# Altium PCB SENSEI_Sensor-Shield.PcbDoc (part 1 of 2)
Units mm, origin at the board's own origin, x right, y up, seen from the top; angles counter-clockwise.
Board outline 38 x 16.5 mm, 8 copper layers (Top Layer, Mid-Layer 1, Mid-Layer 2, Mid-Layer 3, Mid-Layer 4, Mid-Layer 5, Mid-Layer 6, Bottom Layer), stack 1.612 mm thick; 108 components, 123 nets, 577 pads, 250 vias.
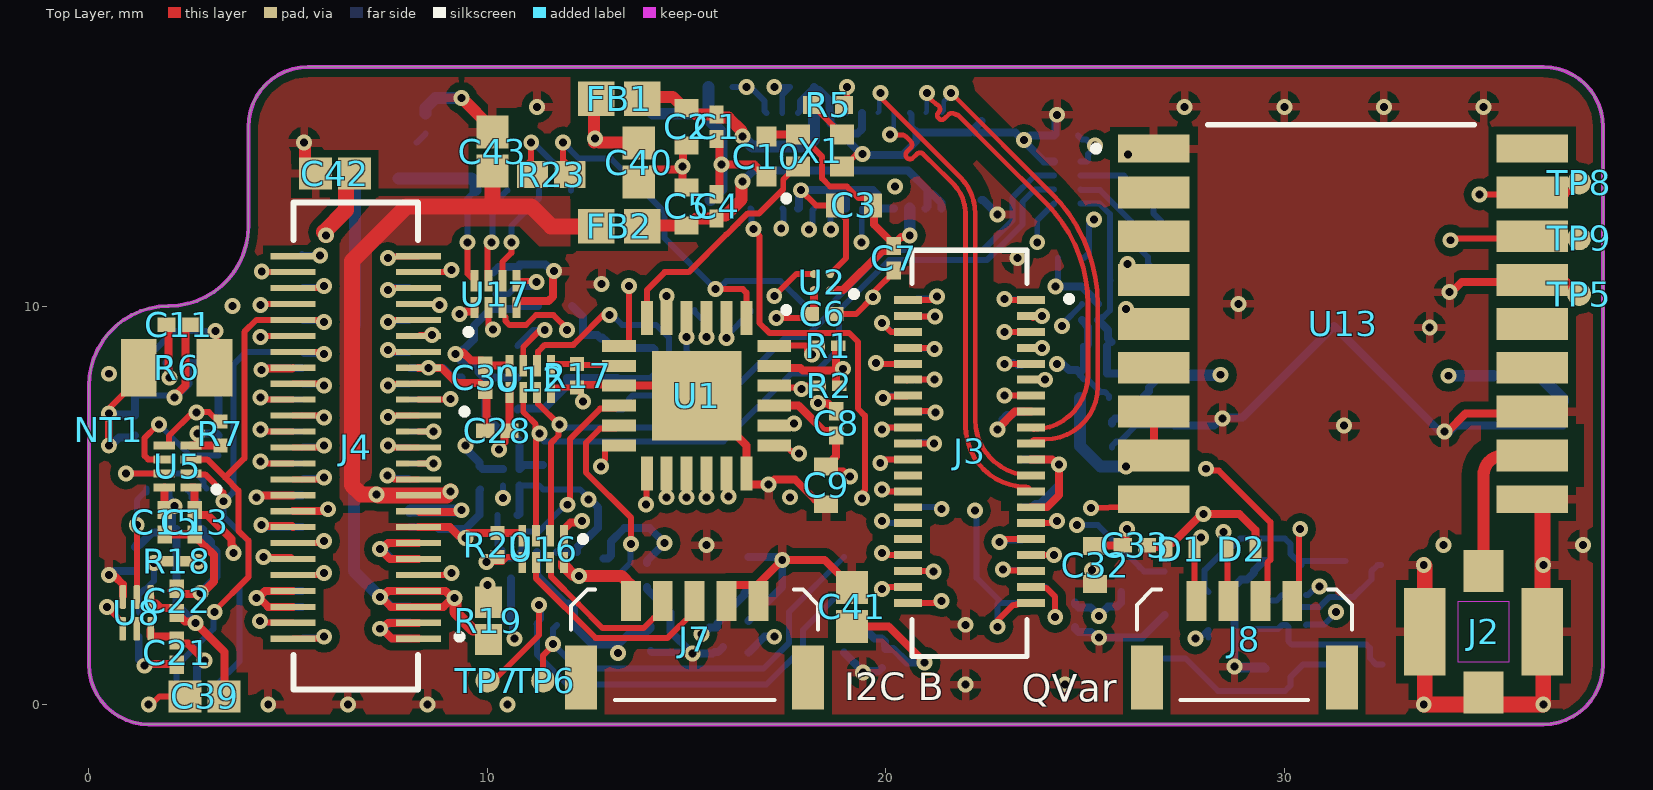
[diagram p0: Top Layer view]
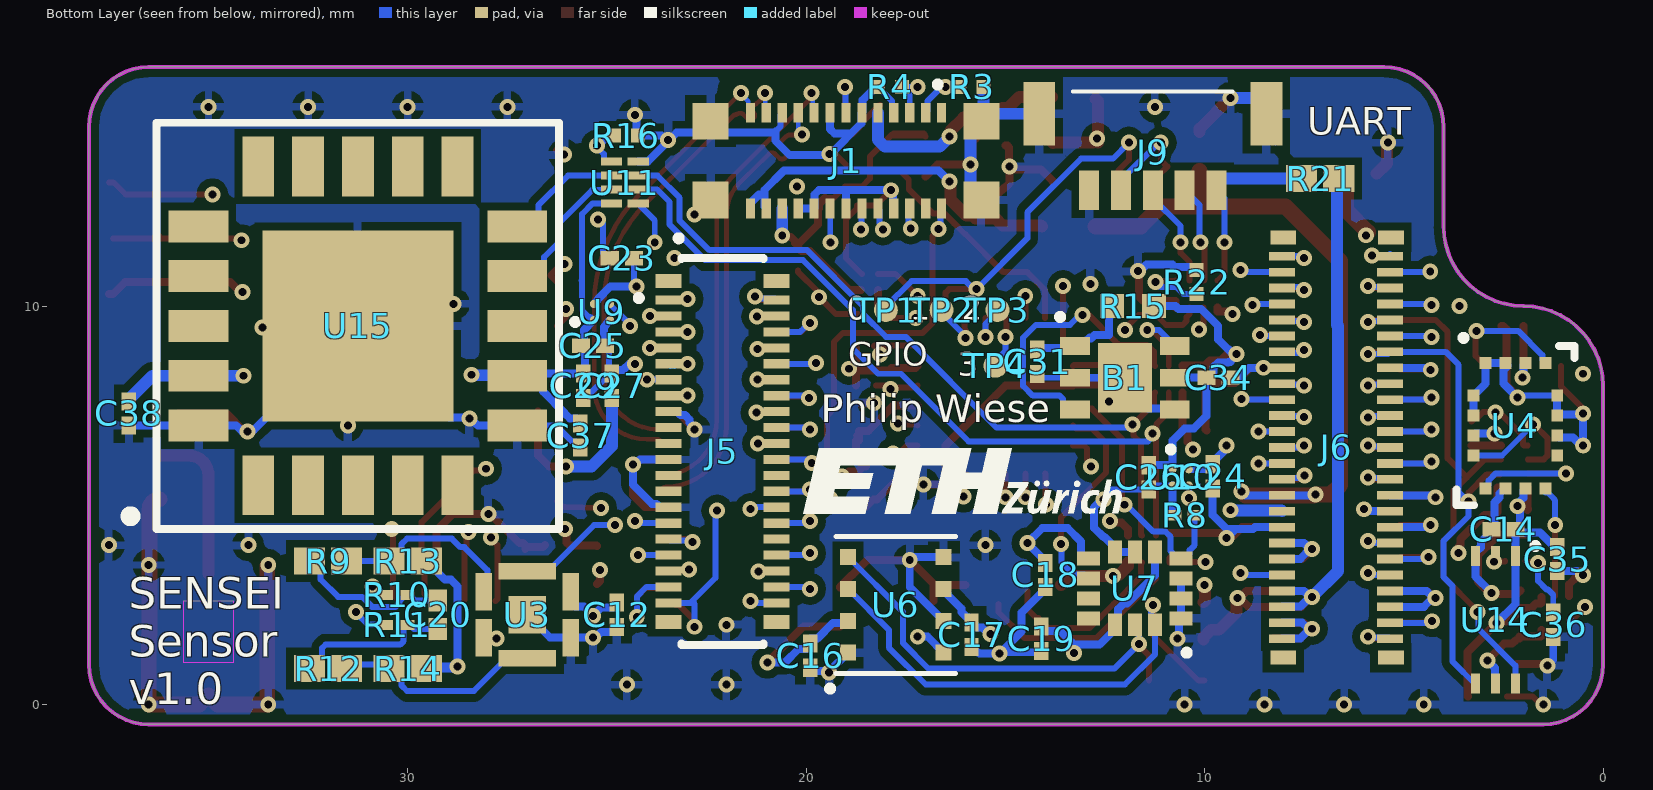
[diagram p1: Bottom Layer view, seen from below]
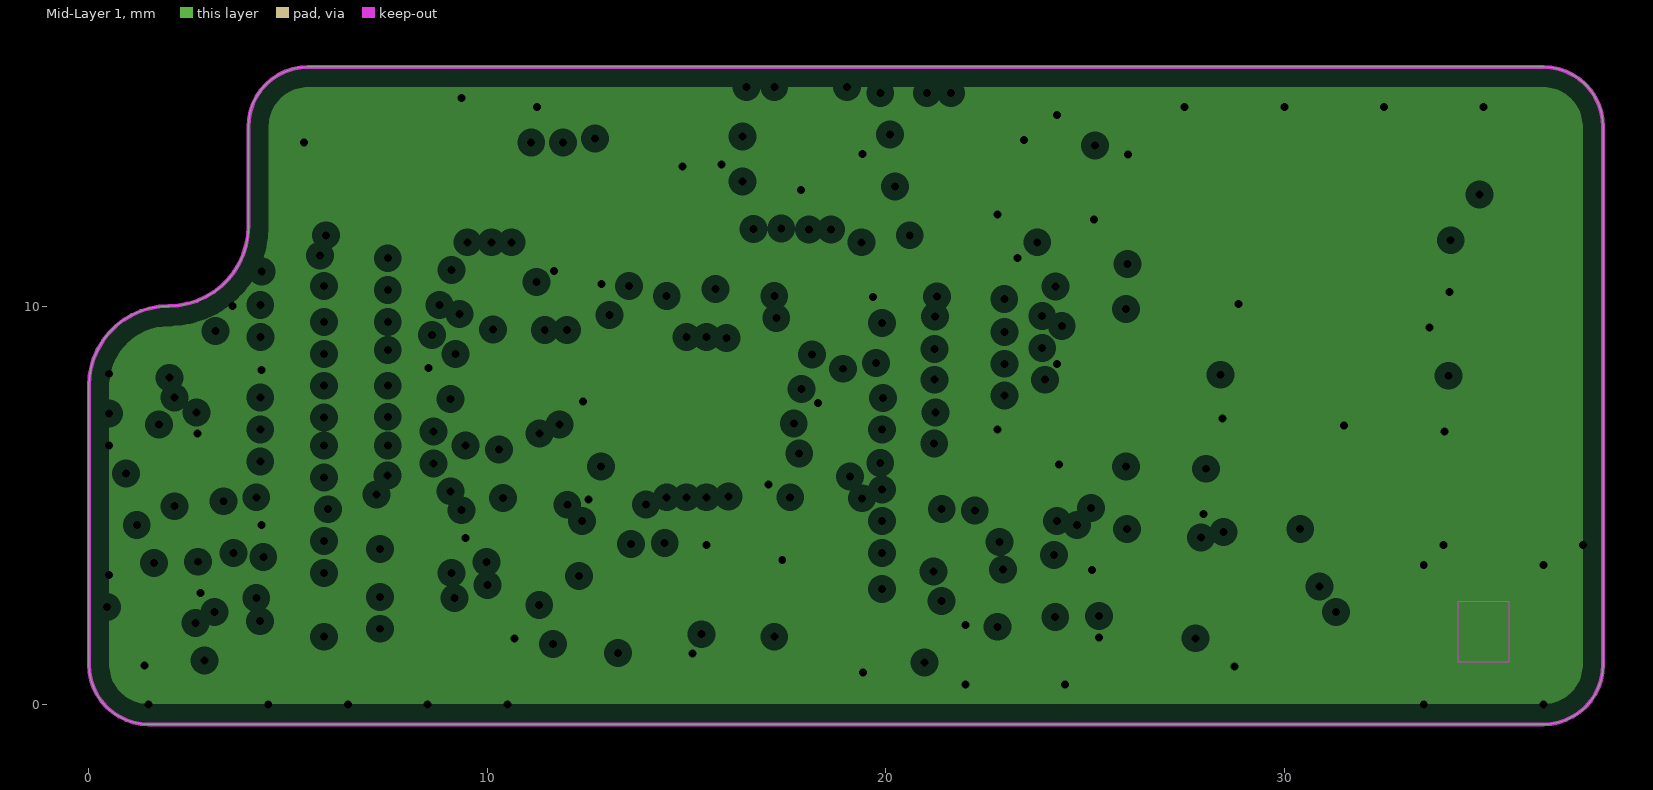
[diagram p2: Mid-Layer 1, clearances drawn from the general rule]
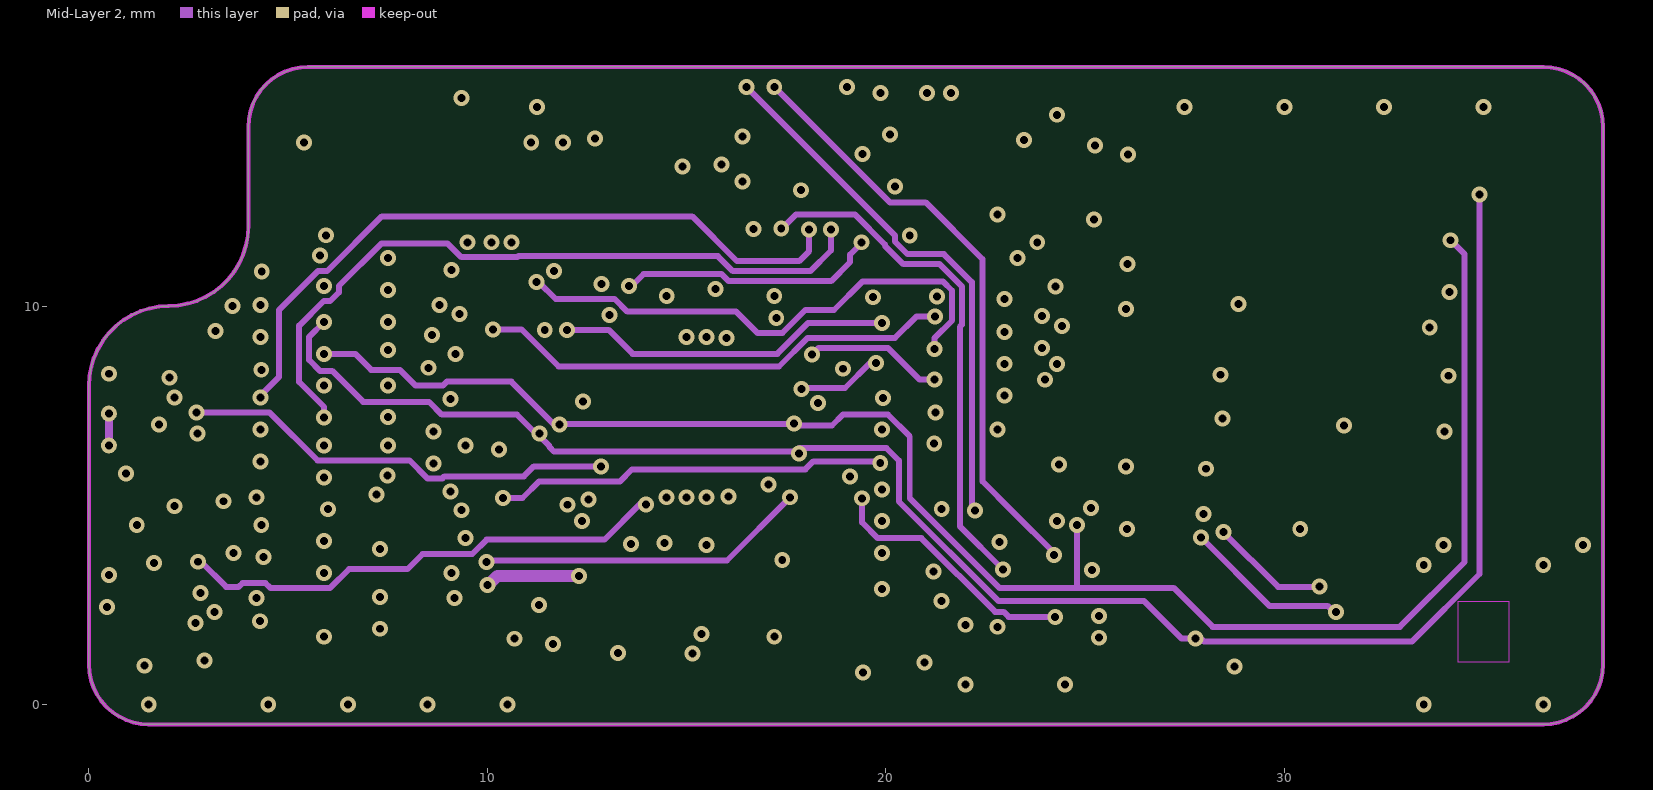
[diagram p3: Mid-Layer 2]
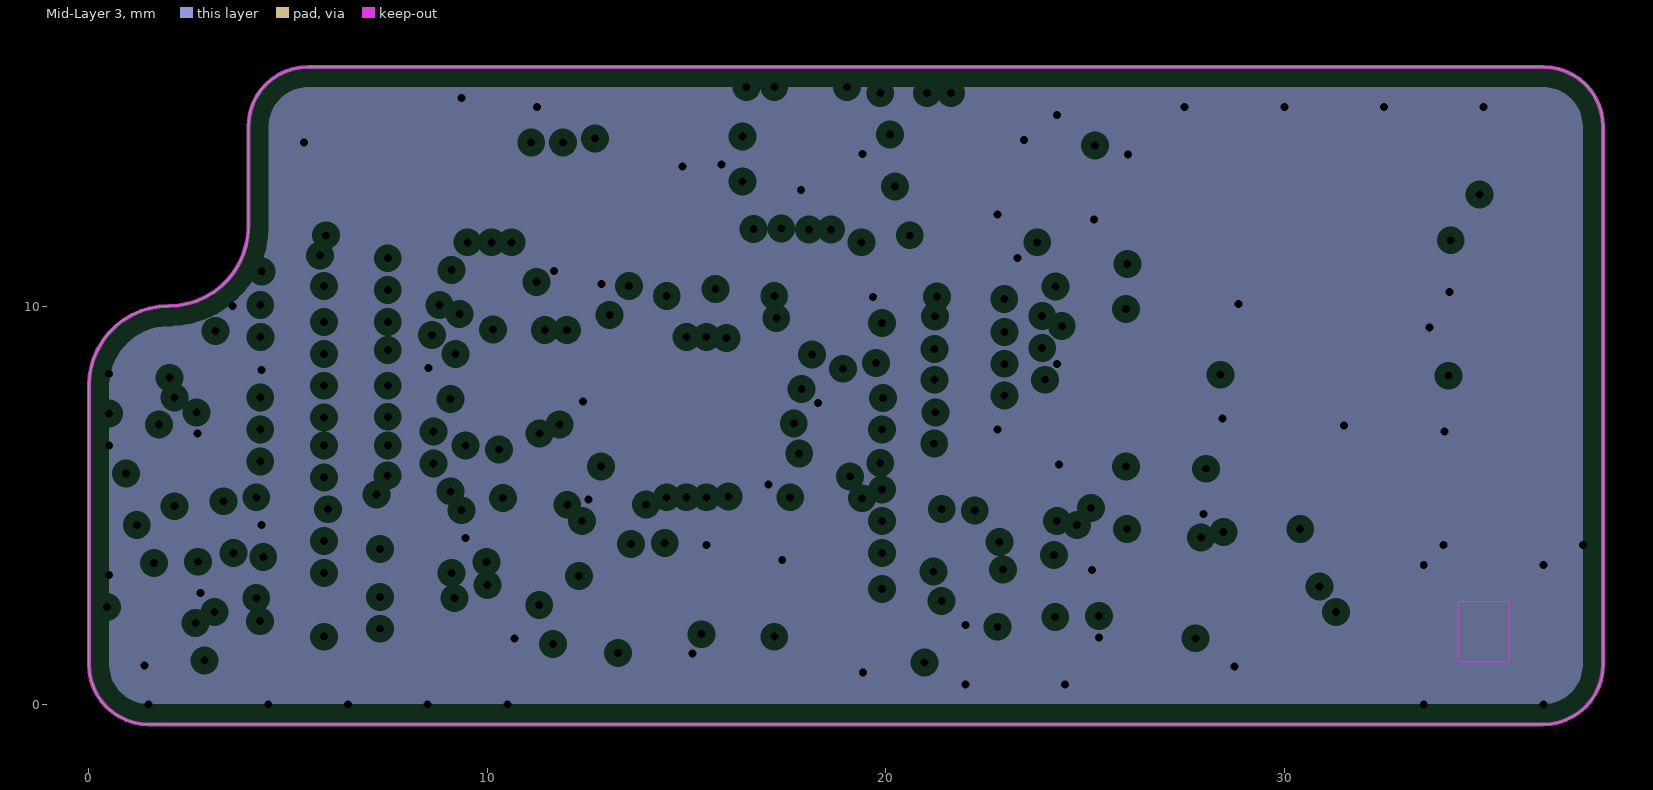
[diagram p4: Mid-Layer 3, clearances drawn from the general rule]
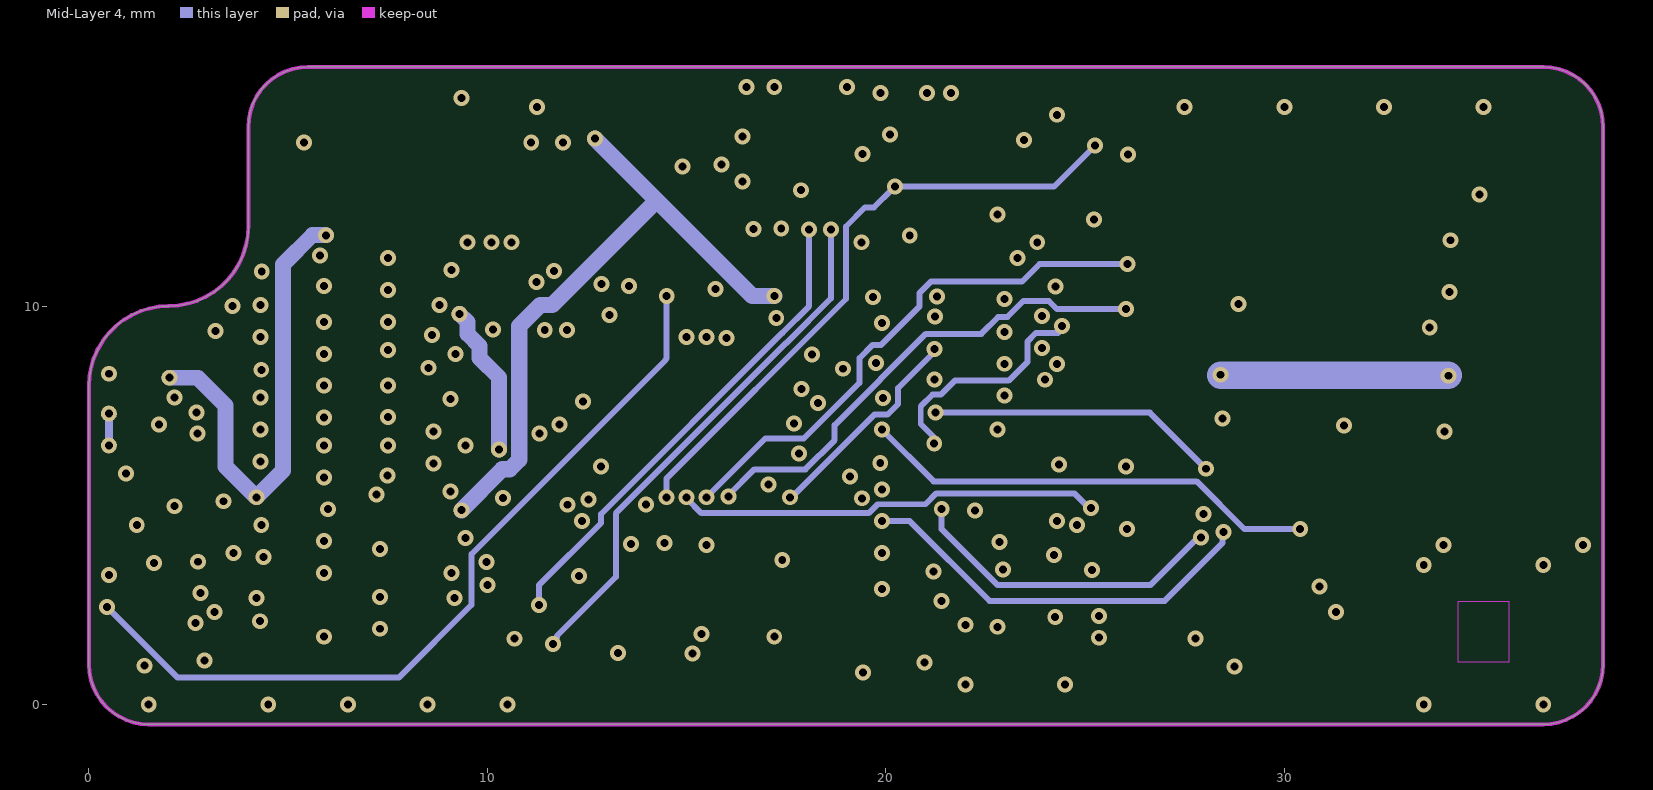
[diagram p5: Mid-Layer 4]
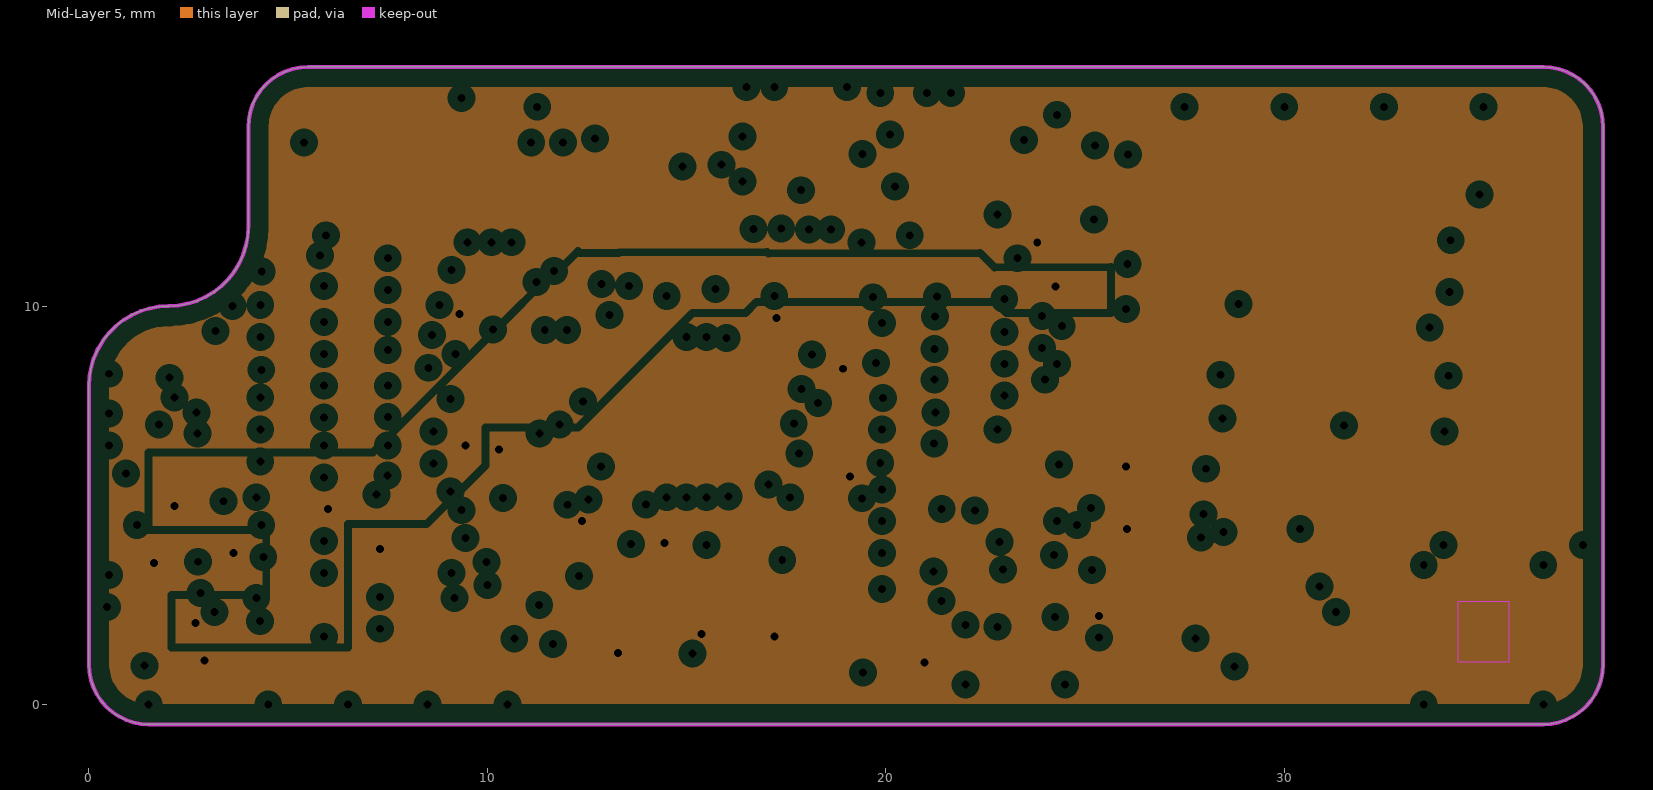
[diagram p6: Mid-Layer 5, clearances drawn from the general rule]
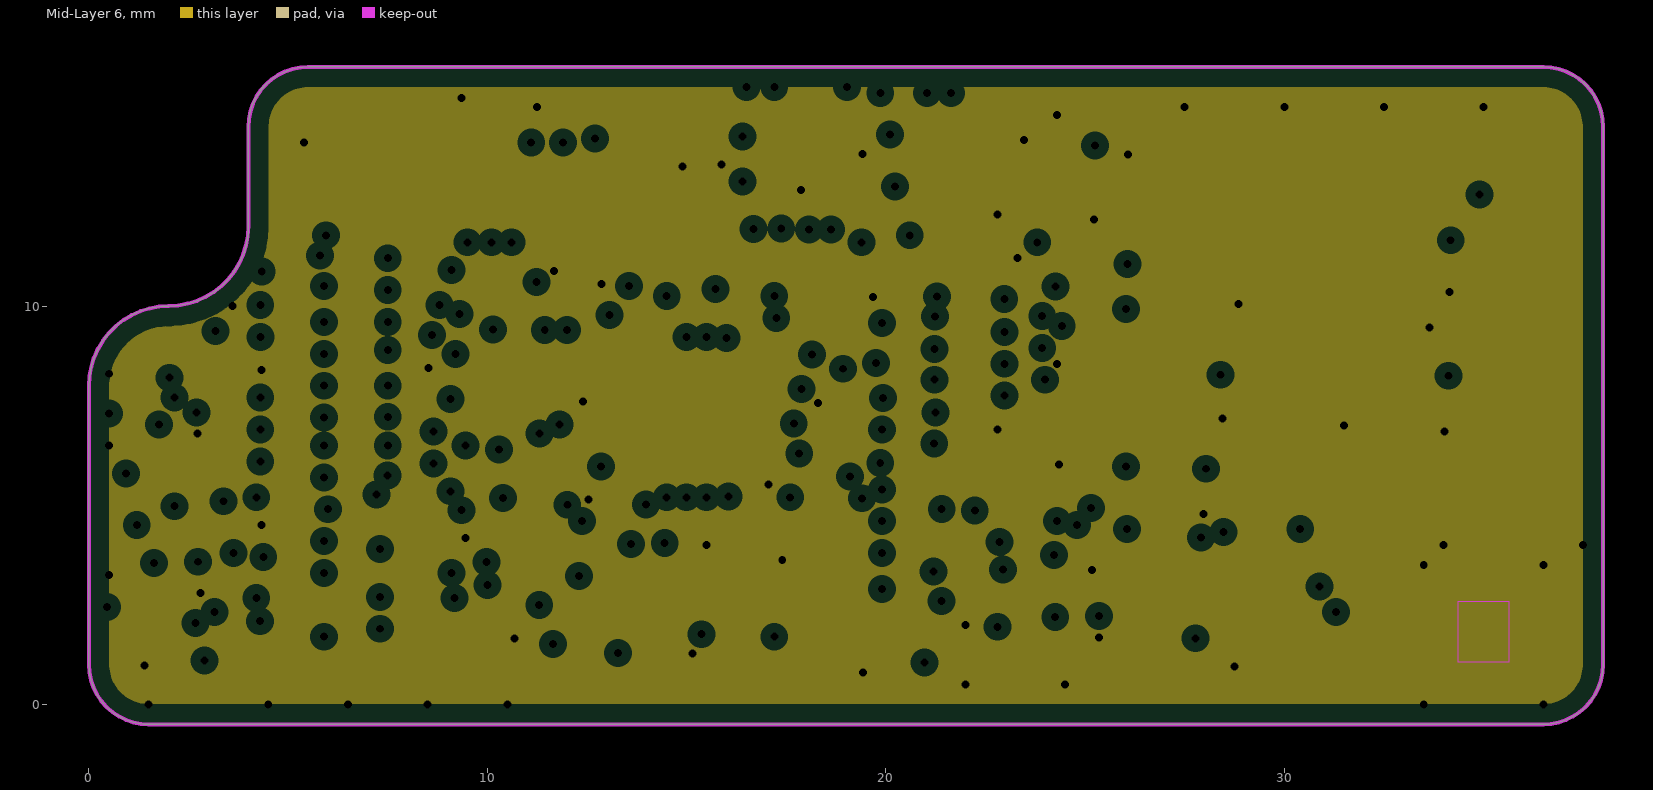
[diagram p7: Mid-Layer 6, clearances drawn from the general rule]
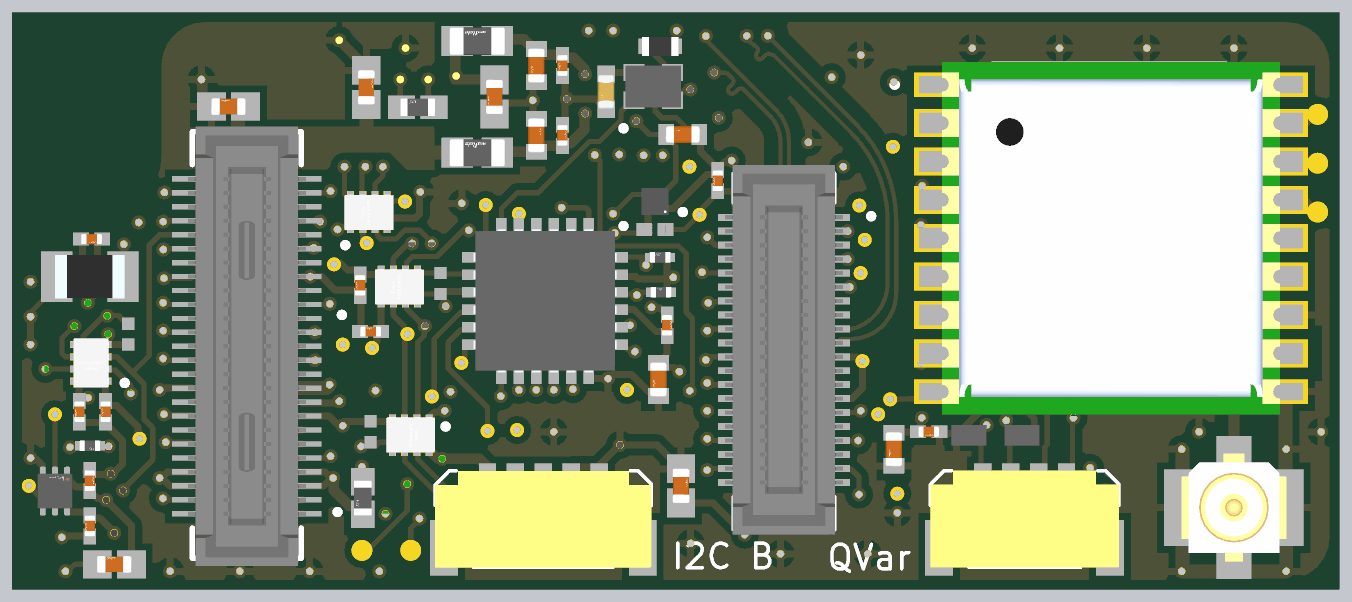
[diagram p9: 3D render of the assembled board from above, using the file's embedded part models]
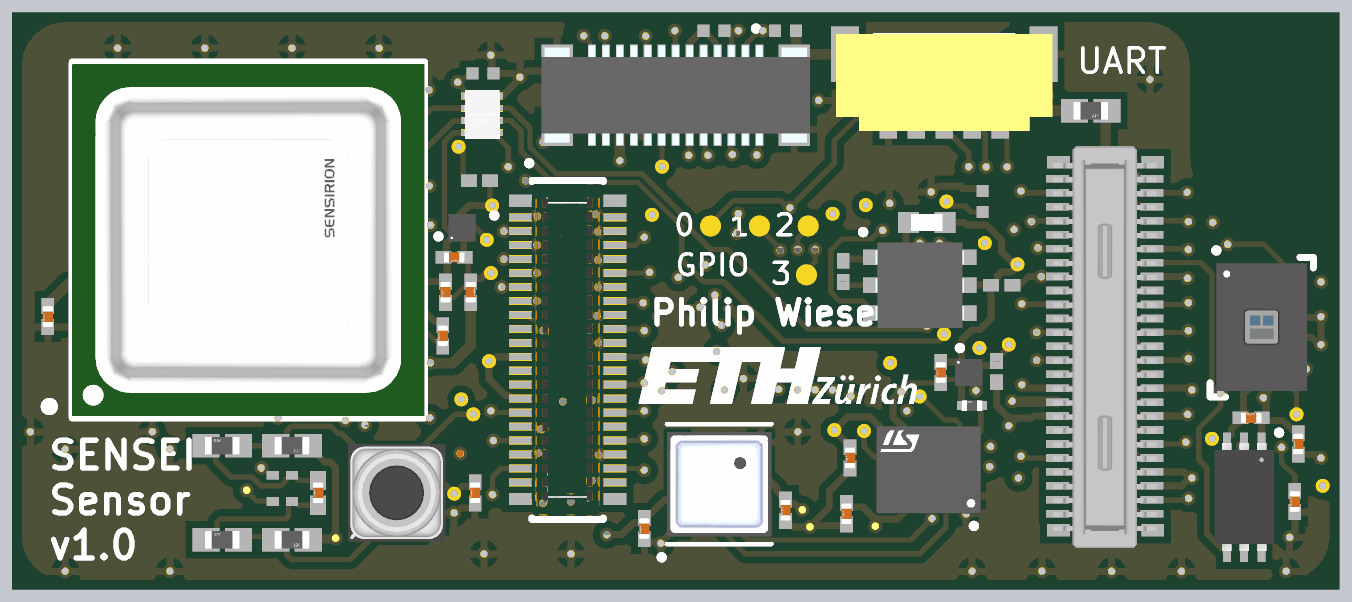
[diagram p10: 3D render of the assembled board from below, using the file's embedded part models]

## Layer stack, top to bottom
Top Solder: solder mask 0.0102, Solder Resist, Dk 3.5
Top Layer: signal copper 0.0356
Dielectric1: prepreg 0.107, PP-021, Dk 4.29
Mid-Layer 1: plane copper 0.0356, net GND
Dielectric2: core 0.3, Core-023, Dk 4.29
Mid-Layer 2: signal copper 0.0356
Dielectric 1: prepreg 0.107, PP-021, Dk 4.29
Mid-Layer 3: plane copper 0.0356, net GND
Dielectric3: core 0.3, Core-023, Dk 4.29
Mid-Layer 4: signal copper 0.0356
Dielectric4: prepreg 0.107, PP-021, Dk 4.29
Mid-Layer 5: plane copper 0.0356, net (Multiple Nets)
Dielectric 3: core 0.3, Core-023, Dk 4.29
Mid-Layer 6: plane copper 0.0356, net GND
Dielectric5: prepreg 0.107, PP-021, Dk 4.29
Bottom Layer: signal copper 0.0356
Bottom Solder: solder mask 0.0102, Solder Resist, Dk 3.5

## Board outline
0,1 ccw(c1.5,1) 1.5,-0.5 36.5,-0.5 ccw(c36.5,1) 38,1 38,14.5 ccw(c36.5,14.5) 36.5,16 5.5,16 ccw(c5.5,14.5) 4,14.5 4,12 cw(c2,12) 2,10 ccw(c2,8) 0,8

## Design rules (kind name [scope] priority, off if disabled: settings)
BoardOutlineClearance [All] p1: gap=0.25 ignorepadtopadclearanceinfootprint=FALSE except(0: Arc-SplitContinuation Track-SplitContinuation SMDPad-SplitContinuation THPad-SplitContinuation Via-SplitContinuation Fill-SplitContinuation Poly-SplitContinuation Region-SplitContinuation Text-SplitContinuation)
Clearance Clearance_GND [InNetClass('CSI2_CLK') OR InNetClass('CSI2_DATA') Or InNetClass('50Ohm') vs InNet('GND')] p1: gap=0.2 ignorepadtopadclearanceinfootprint=TRUE except(0.15: Arc-SMDPad Track-SMDPad SMDPad-SMDPad; 0.4: Arc-Fill Arc-Poly Arc-Region Track-Fill Track-Poly Track-Region SMDPad-Fill SMDPad-Poly SMDPad-Region THPad-Fill THPad-Poly THPad-Region Via-Fill Via-Poly Via-Region Fill-Fill Fill-Poly Fill-Region Poly-Poly Poly-Region Region-Region)
Clearance Clearance_D100_CLK [InNetClass('CSI2_CLK') vs Not( InNetClass('CSI2_CLK') OR InNet('GND'))] p2: gap=0.4 ignorepadtopadclearanceinfootprint=TRUE
Clearance Clearance_D100_DATA [InNetClass('CSI2_DATA') vs Not( InNetClass('CSI2_DATA') OR InNet('GND'))] p3: gap=0.4 ignorepadtopadclearanceinfootprint=TRUE
Clearance Clearance_S50 [InNetClass('50Ohm') vs Not( InNetClass('50Ohm') OR InNet('GND') or Keepout )] p4: gap=0.4 ignorepadtopadclearanceinfootprint=TRUE
Clearance Clearance-xPP-xTP-xTT [All] p5: gap=0.1 ignorepadtopadclearanceinfootprint=TRUE except(0.2: Arc-Fill Arc-Poly Arc-Region Track-Fill Track-Poly Track-Region SMDPad-Fill SMDPad-Poly SMDPad-Region THPad-Fill THPad-Poly THPad-Region Via-Fill Via-Poly Via-Region Fill-Fill Fill-Poly Fill-Region Poly-Poly Poly-Region Region-Region)
ComponentClearance ComponentClearance_Mechanical [OnMechanical] p1: gap=0 collisioncheckmode=3 verticalgap=0 showdistances=FALSE
ComponentClearance [All] p2: gap=0.25 collisioncheckmode=3 verticalgap=0.25 showdistances=FALSE
DiffPairsRouting "100 Ohm" [InDifferentialPairClass('100Ohm')] p1: maxlimit=0.25 minlimit=0.127 mostfreqgap=0.127 toplayer_minwidth=0.117 toplayer_maxwidth=0.4 toplayer_prefwidth=0.117 midlayer1_minwidth=0.045 midlayer1_maxwidth=0.4 midlayer1_prefwidth=0.052 midlayer4_minwidth=0.052 midlayer4_maxwidth=0.4 midlayer4_prefwidth=0.052 bottomlayer_minwidth=0.117 bottomlayer_maxwidth=0.4 bottomlayer_prefwidth=0.117 impedanceprofiledriven=TRUE impedanceprofileid={66C9644C-2042-4FCB-B803-7A79EBC78C8C} impedanceprofilevalue=100.000000 maxuncoupledlength=12.5
DiffPairsRouting [All] p2: maxlimit=0.25 minlimit=0.15 mostfreqgap=0.25 toplayer_minwidth=0.15 toplayer_maxwidth=0.4 toplayer_prefwidth=0.2 midlayer1_minwidth=0.15 midlayer1_maxwidth=0.4 midlayer1_prefwidth=0.2 midlayer4_minwidth=0.15 midlayer4_maxwidth=0.4 midlayer4_prefwidth=0.2 bottomlayer_minwidth=0.15 bottomlayer_maxwidth=0.4 bottomlayer_prefwidth=0.2 maxuncoupledlength=12.5
Height [All] p1: minheight=0 maxheight=25 prefheight=12.5
HoleSize HoleSize-VIA [IsVia] p1: absolutevalues=TRUE maxlimit=6.2 minlimit=0.2 maxpercent=80.000 minpercent=20.000
HoleSize HoleSize-PTH [All] p2: absolutevalues=TRUE maxlimit=6.2 minlimit=0.2 maxpercent=80.000 minpercent=20.000
HoleToHoleClearance [All] p1: gap=0.3 allowstackedmicrovias=TRUE
MatchedLengths MatchedLengths_D100_InPair [InDifferentialPairClass('100Ohm')] p1: tolerance=0.1 checknetsindiffpair=TRUE checkdiffpairvsdiffpair=FALSE checkxsignals=FALSE checkothers=FALSE
MatchedLengths MatchedLengths_D100 [InDifferentialPairClass('100Ohm')] p2: tolerance=0.2 checknetsindiffpair=FALSE checkdiffpairvsdiffpair=TRUE checkxsignals=TRUE checkothers=TRUE
MaximumViaCount MaximumViaCount_D100 [InDifferentialPairClass('100Ohm')] p1: limit=2
MinimumAnnularRing "Minimum IAR  >0.45mm" [((ObjectKind = 'Pad') OR (ObjectKind = 'Via')) And (Layer = 'MultiLayer') And (HoleDiameter > AsMM(0.45))] p1: minimumring=0.2 // minimum inner annular ring for pads > 0.45mm finished hole size
MinimumAnnularRing "Minimum IAR <=0.45mm" [((ObjectKind = 'Pad') OR (ObjectKind = 'Via')) And (Layer = 'MultiLayer') And (HoleDiameter <= AsMM(0.45))] p2: minimumring=0.1 // minimum inner annular ring for pads <= 0.45mm finished hole size
MinimumSolderMaskSliver [All] p1: minsoldermaskwidth=0.08
PlaneClearance PlaneClearance-IPI [All] p1: clearance=0.25
PlaneConnect [All] p1: planeconnectstyle=Relief reliefexpansion=0.175 reliefentries=4 reliefconductorwidth=0.2 reliefairgap=0.2
PolygonConnect PolygonConnect-xTW [All] p1: connectstyle=Relief reliefconductorwidth=0.2 reliefentries=4 polygonreliefangle="90 Angle" airgapwidth=0.2
ReturnPath ReturnPath_S50 [InNetClass('50Ohm')] p1: impedanceprofileid={A2B40DEE-A9E4-4B6C-8169-857D678A89D5} _gaplimit=2.3
ReturnPath ReturnPath_D100 [InDifferentialPairClass('100Ohm')] p2: impedanceprofileid={66C9644C-2042-4FCB-B803-7A79EBC78C8C} _gaplimit=2.3
RoutingCorners "Schematic Routing Corners" [InNet('NetJ2_1')] p1: cornerstyle=Round minsetback=2.54 maxsetback=2.54
RoutingCorners [All] p2: cornerstyle=45-Degree minsetback=2.5 maxsetback=2.5
RoutingVias RoutingVias_Power [InNetClass('Power')] p1: holewidth=0.2 width=0.4 viastyle="Through Hole" minholewidth=0.1 minwidth=0.3 maxholewidth=0.45 maxwidth=0.8 // finishet hole size <= 0.45mm
RoutingVias [All] p2: holewidth=0.2 width=0.4 viastyle="Through Hole" minholewidth=0.2 minwidth=0.4 maxholewidth=0.45 maxwidth=0.8 // finishet hole size <= 0.45mm
SilkToSilkClearance [All] p1: silktosilkclearance=0.2
SilkToSolderMaskClearance SilkscreenOverComponentPads [IsPad] p1: minsilkscreentomaskgap=0.2 clearancetoexposedcopper=TRUE
SolderMaskExpansion SolderMaskExpansion_VIA [(ObjectKind = 'Via')] p1: expansion=0 istentingtop=FALSE
SolderMaskExpansion [All] p2: expansion=0 istentingtop=FALSE
UnRoutedNet [All] p1: checkbadconnections=TRUE
Width Width_S50 [InNetClass('50Ohm')] p1: maxlimit=0.305 minlimit=0.104 preferedwidth=0.178 toplayer_minwidth=0.178 midlayer1_maxwidth=0.254 midlayer1_prefwidth=0.104 midlayer4_maxwidth=0.254 midlayer4_prefwidth=0.104 bottomlayer_minwidth=0.178 impedanceprofiledriven=TRUE impedanceprofileid={A2B40DEE-A9E4-4B6C-8169-857D678A89D5} impedanceprofilevalue=50.000000 minimp=50.000000 maximp=50.000000 favimp=50.000000
Width Width-xTW [All] p2: maxlimit=1.5 minlimit=0.15 preferedwidth=0.15 minimp=50.000000 maximp=50.000000 favimp=50.000000
Width [InNetClass('Power')] p3: maxlimit=2 minlimit=0.15 preferedwidth=0.2 minimp=50.000000 maximp=50.000000 favimp=50.000000
18 further rules are at their usual default settings.

## Classes and differential pairs
net class 50Ohm: NetJ2_1
differential pair class 100Ohm: CSI_CLK CSI_D0
net class Power: 1V2 1V8 2V8 3V3 3V3A AGND_3V3 GND NetB1_1 V_HM0360_1V8 V_SCD41_3V3 V_SGP41_3V3 VBAT Vsys
net class CSI2_DATA: CSI_D0_N CSI_D0_P
net class CSI2_CLK: CSI_CLK_N CSI_CLK_P
component class 04_gap_interface: J3 J4 J5 J6 J7 J8 J9 R19 R20 R21 R22 R23 TP6 TP7 TP8 TP9 U16 U17
component class 02_power: C39 C40 C41 C42 C43 TP5
component class 01_sensors: B1 C1 C2 C3 C4 C5 C6 C7 C8 C9 C10 C11 C12 C13 C14 C15 C16 C17 C18 C19 C20 C21 C22 C23 C24 C25 C26 C27 C28 C29 C30 C31 C32 C33 C34 C35 C36 C37 C38 D1 D2 FB1 FB2 J1 J2 NT1 R1 R2 R3 R4 R5 R6 R7 R8 R9 R10 R11 R12 R13 R14 R15 R16 R17 R18 SS TP1 TP2 TP3 TP4 U1 U2 U3 U4 U5 U6 U7 U8 U9 U10 U11 U12 U13 U14 U15 X1
differential pair CSI_D0: +CSI_D0_P -CSI_D0_N
differential pair CSI_CLK: +CSI_CLK_P -CSI_CLK_N
